# Altium PCB Nixie Board V1.1.PcbDoc (continued)
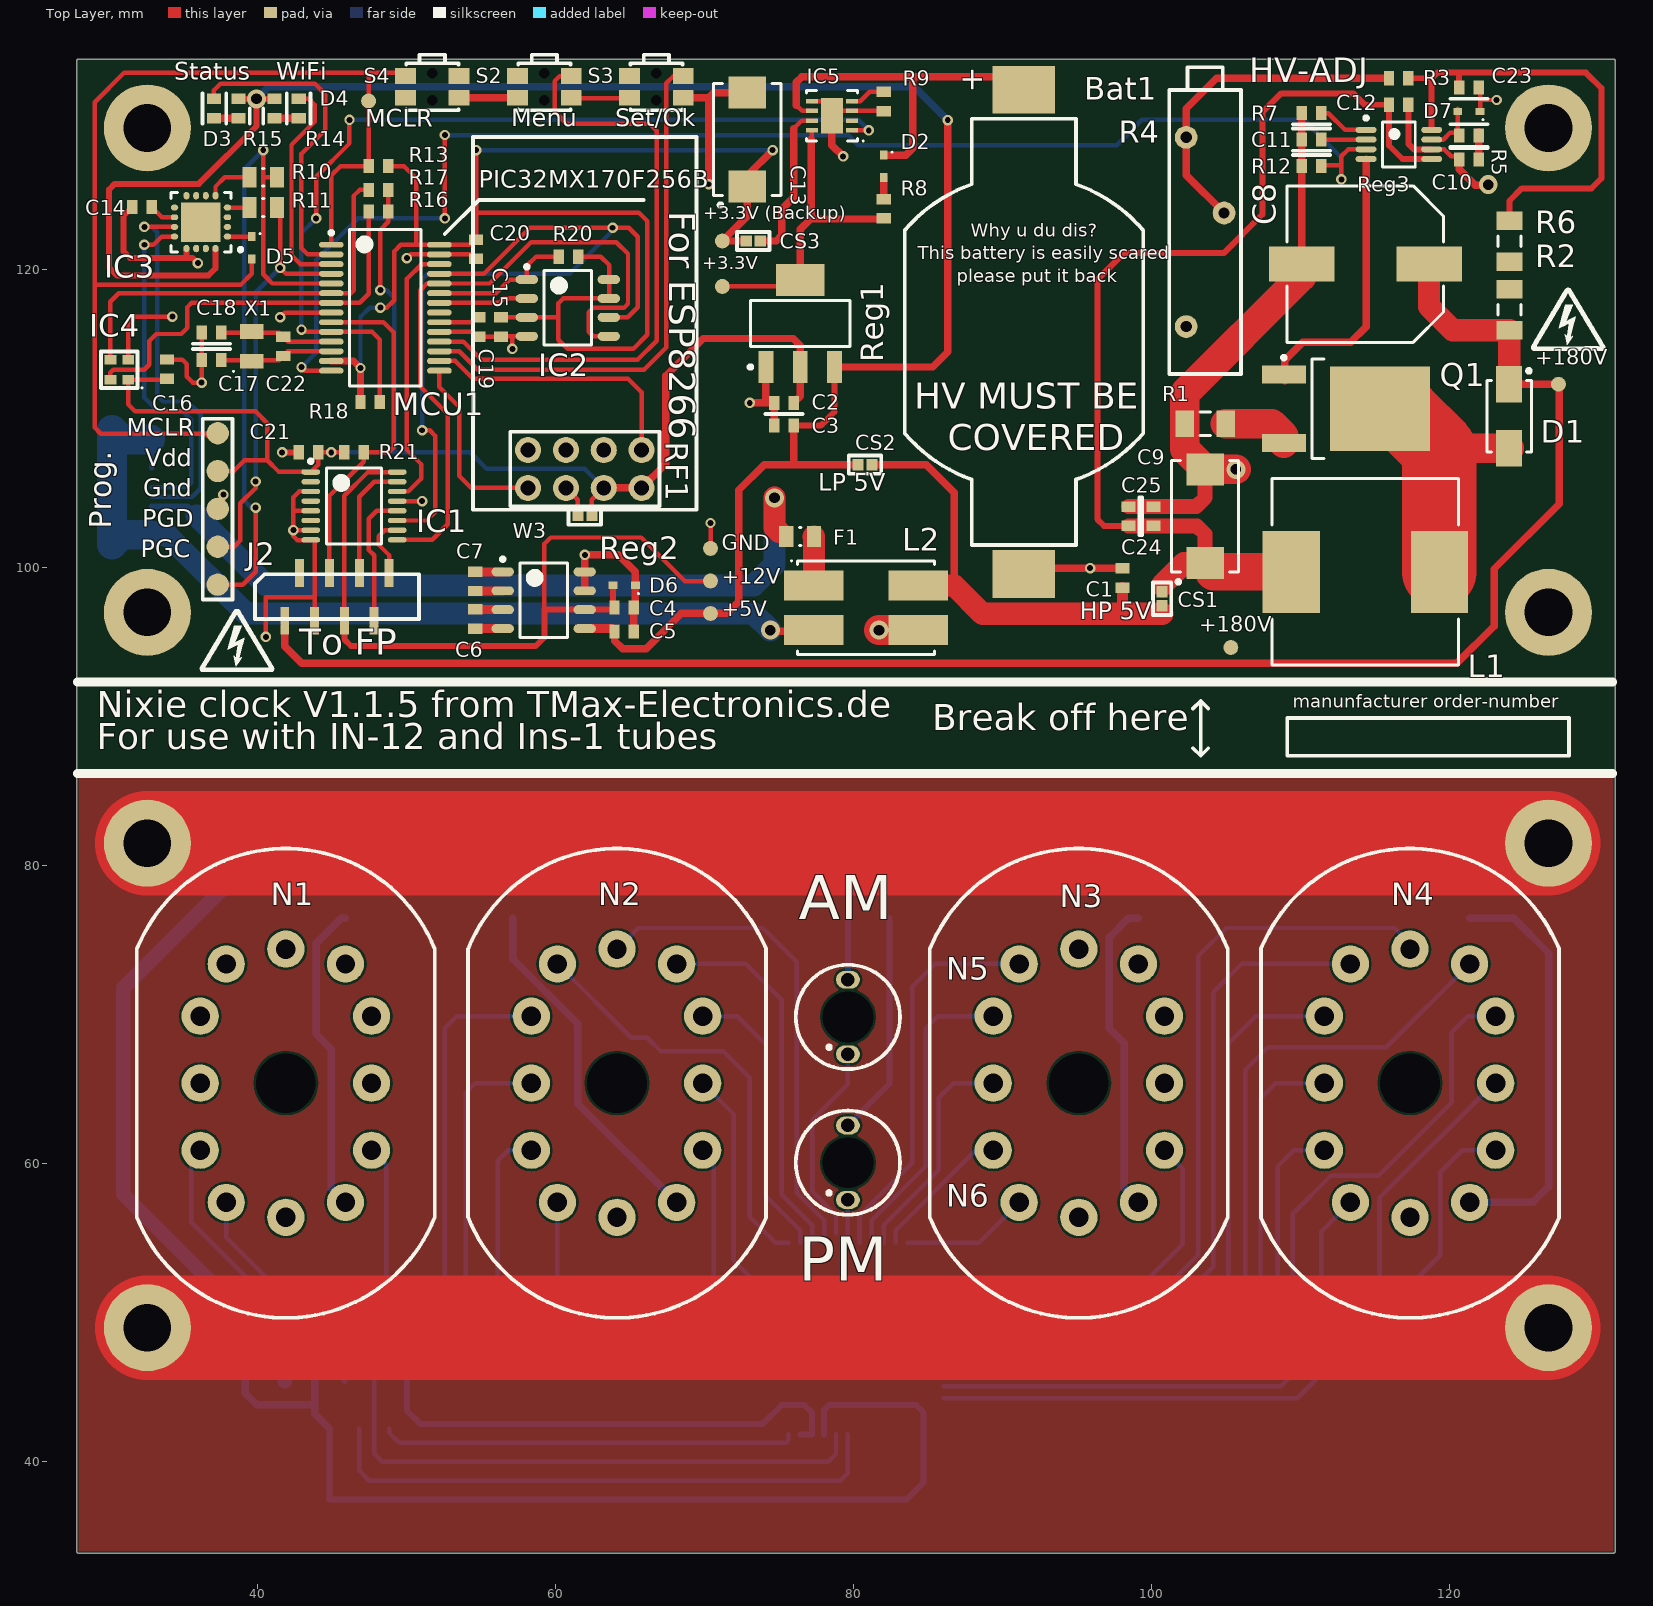
[diagram p0: Top Layer view]
## Footprints (in the part's own frame and the unit in brackets; to place one, negate y for a bottom-side part, rotate by r counter-clockwise, add the part's x,y. Pads: shape width x height; smd on the part's side, far side on the other; paste and mask are expansions set on the pad) (continued)
  silkscreen extent -3.02,-2.55 1.85,3.13, body extent -3.2,-2.55 3.2,2.55, height 1.2
TSSOP28_Wide [mm] "TSSOP, 28-Leads, Body 10.20x5.30mm, Pitch 0.65mm, Microchip"
  oval 1.65x0.4 smd: 1(-3.625,4.225) 2(-3.625,3.575) 3(-3.625,2.925) 4(-3.625,2.275) 5(-3.625,1.625) 6(-3.625,0.975) 7(-3.625,0.325) 8(-3.625,-0.325) 9(-3.625,-0.975) 10(-3.625,-1.625) 11(-3.625,-2.275) 12(-3.625,-2.925) 13(-3.625,-3.575) 14(-3.625,-4.225) 15(3.625,-4.225) 16(3.625,-3.575) 17(3.625,-2.925) 18(3.625,-2.275) 19(3.625,-1.625) 20(3.625,-0.975) 21(3.625,-0.325) 22(3.625,0.325) 23(3.625,0.975) 24(3.625,1.625) 25(3.625,2.275) 26(3.625,2.925) 27(3.625,3.575) 28(3.625,4.225)
  silkscreen extent -3.75,-5.25 2.4,5.25, body extent -3.9,-5.25 3.9,5.25, height 2
"USB 2.0 Type b micro" [mm]
  rect 0.4x1.35 smd: 1(-1.3,2.675) 2(-0.65,2.675) 3(0,2.675) 4(0.65,2.675) 5(1.3,2.675)
  rect 1.9x1.9 smd: 6(-3.85,0) 6(-1.2,0) 6(1.2,0) 6(3.85,0)
  rect 2.1x1.6 smd: 6(-3.2,2.55) 6(3.2,2.55)
  silkscreen extent -3.45,-1.45 3.45,3.81, body extent -4.04,-2.43 4.04,3.18, height 2.78
"VSON 3.1x3.1" [mm] "SON, 8-Leads, Body 3.00x3.00mm, Pitch 0.65mm, Thermal Pad 2.40x1.49mm, IPC High Density, Texas Instruments"
  rect 0.8x0.3 smd: 1(-1.345,0.975) 2(-1.345,0.325) 3(-1.345,-0.325) 4(-1.345,-0.975) 5(1.345,-0.975) 6(1.345,-0.325) 7(1.345,0.325) 8(1.345,0.975)
  rect 1.49x2.4 smd: 9(0,0)
  silkscreen extent -2.15,-1.7 1.7,1.75, body extent -1.55,-1.55 1.55,1.55, height 1

## Part data
Bat1: library part Battery, "Battery"
C1 C2 C3 C4 C5 C6 C7 C10 C11 C12 C14 C17 C18 C19 C22 C23 C24 C25: library part Cap, "Capacitor", LatestRevisionDate=17-Jul-2002, LatestRevisionNote="Re-released for DXP Platform.", PackageDescription="Radial Cap, Thru-Hole; 2 Leads; 0.3 in Pin Spacing", PackageReference=RAD-0.3, Published=8-Jun-2000, Publisher="Altium Limited"
C8: library part "Cap Pol1", LatestRevisionDate=17-Jul-2002, LatestRevisionNote="Re-released for DXP Platform.", PackageDescription="Polarized Capacitor (Radial); 2 Leads", PackageReference=RB7.6-15, Published=8-Jun-2000, Publisher="Altium Limited"
C9 C13: library part "Cap Pol1", "Tantalum", LatestRevisionDate=17-Jul-2002, LatestRevisionNote="Re-released for DXP Platform.", PackageDescription="Polarized Capacitor (Radial); 2 Leads", PackageReference=RB7.6-15, Published=8-Jun-2000, Publisher="Altium Limited"
C15: library part Cap, "Flash Bypass", LatestRevisionDate=17-Jul-2002, LatestRevisionNote="Re-released for DXP Platform.", PackageDescription="Radial Cap, Thru-Hole; 2 Leads; 0.3 in Pin Spacing", PackageReference=RAD-0.3, Published=8-Jun-2000, Publisher="Altium Limited"
C16 C20 C21: library part Cap, "PIC Bypass", LatestRevisionDate=17-Jul-2002, LatestRevisionNote="Re-released for DXP Platform.", PackageDescription="Radial Cap, Thru-Hole; 2 Leads; 0.3 in Pin Spacing", PackageReference=RAD-0.3, Published=8-Jun-2000, Publisher="Altium Limited"
CS1 CS3: library part Jumper, "I2C Passthrough", LatestRevisionDate=17-Jul-2002, LatestRevisionNote="Re-released for DXP Platform.", PackageDescription="Radial Cap, Thru-Hole; 2 Leads; 0.2 in Pin Spacing", PackageReference=RAD-0.2, Published=24-Mar-1999, Publisher="Altium Limited"
CS2: library part Jumper, LatestRevisionDate=17-Jul-2002, LatestRevisionNote="Re-released for DXP Platform.", PackageDescription="Radial Cap, Thru-Hole; 2 Leads; 0.2 in Pin Spacing", PackageReference=RAD-0.2, Published=24-Mar-1999, Publisher="Altium Limited"
D1: "Schottky Rectifier", Code_JEDEC=DO-204-AL, ComponentLink1Description="Manufacturer Link", ComponentLink1URL=http://www.irf.com/, ComponentLink2Description=Datasheet, ComponentLink2URL=http://www.irf.com/product-info/datasheets/data/11dq03.pdf, DatasheetVersion=Dec-1997, LatestRevisionDate=17-Jul-2002, LatestRevisionNote="Re-released for DXP Platform.", PackageDescription="Diode, Axial; Body 5.2 x 2.7 mm (LxDia. max), Lead Dia. 0.86 mm (max)", PackageReference=DO-204AL, Published=8-Jun-2000, Publisher="Altium Limited"
D2 D5: "Default Diode", Code_JEDEC=DO-214-AB, LatestRevisionDate=17-Jul-2002, LatestRevisionNote="Re-released for DXP Platform.", PackageDescription="DO-214-AB/SMC; 2 C-Bend Leads; Body 7.9 x 5.9 mm, inc. leads (LxW)", PackageReference=SMC, PackageVersion=Sep-1996, Published=8-Jun-2000, Publisher="Altium Limited"
D6 D7: library part "D Zener", "Zener Diode", LatestRevisionDate=17-Jul-2002, LatestRevisionNote="Re-released for DXP Platform.", PackageDescription="Diode, Thru-Hole; 2 Leads; 0.7 in Pin Spacing", PackageReference=DIODE-0.7, Published=8-Jun-2000, Publisher="Altium Limited"
F1: library part Fuse, "Fuse OR PTC Resettable Fuse"
IC1: "6ch Level shifter"
IC3: "USB to Uart/I2C Converter"
IC4: library part ?LTR-329ALS, "Ambient light sensor with ADC"
IC101: "32bit HV shift register", ComponentLink1Description=Datasheet, ComponentLink1URL=http://ww1.microchip.com/downloads/en/DeviceDoc/20005418B.pdf
J1B: library part "USB 2.0 Type B Micro"
J2 J101: library part "Molex 0528080871", "8 Pin FFC SMD staight"
L1: library part Inductor, "Inductor", Code_IEC=1005, Code_JEITA=0402, LatestRevisionDate=29-May-2009, LatestRevisionNote="IPC-7351 Footprint Added.", PackageDescription="Chip Inductor", PackageReference=0402-A, Published=8-Jun-2000, Publisher="Altium Limited"
MCU1: library part PIC32MX1xxFxxxB
N1 N2 N3 N4: library part "Nixie numeric 0-9", "Nixie tube numeric without decimal point", ComponentLink1Description="Info for IN-12A", ComponentLink1URL=http://www.tube-tester.com/sites/nixie/data/in-12a.htm
N5 N6: library part "Nixie Dot", "Neon dot indicator"
Q1: "N-Channel MOSFET", LatestRevisionDate=17-Jul-2002, LatestRevisionNote="Re-released for DXP Platform.", PackageDescription="TO, Flat Index; 3 In-Line, Axial Leads; Body Dia. 4.6mm; Lead Dia. 0.5 mm (max)", PackageReference=E3, PackageVersion=1995/1996, Published=8-Jun-2000, Publisher="Altium Limited"
R1 R8: "Resistor", LatestRevisionDate=17-Jul-2002, LatestRevisionNote="Re-released for DXP Platform.", PackageDescription="Axial Device, Thru-Hole; 2 Leads; 0.3 in Pin Spacing", PackageReference=AXIAL-0.3, Published=8-Jun-2000, Publisher="Altium Limited"
R2 R5 R6 R7 R10 R11 R12 R13 R14 R15 R16 R17 R20 R21: library part Res1, "Resistor", LatestRevisionDate=17-Jul-2002, LatestRevisionNote="Re-released for DXP Platform.", PackageDescription="Axial Device, Thru-Hole; 2 Leads; 0.3 in Pin Spacing", PackageReference=AXIAL-0.3, Published=8-Jun-2000, Publisher="Altium Limited"
R3 R9 R18: library part Res1, LatestRevisionDate=17-Jul-2002, LatestRevisionNote="Re-released for DXP Platform.", PackageDescription="Axial Device, Thru-Hole; 2 Leads; 0.3 in Pin Spacing", PackageReference=AXIAL-0.3, Published=8-Jun-2000, Publisher="Altium Limited"
R101 R102 R103 R104 R105 R106: library part Resistor
Reg1: library part VReg
Reg2: "12V Boosting charge pump"
RF1: library part ESP8266
S2 S3: library part SW-PB, "Switch", LatestRevisionDate=17-Jul-2002, LatestRevisionNote="Re-released for DXP Platform.", PackageDescription="Switch; 2 Leads", PackageReference=SPST-2, Published=24-Mar-1999, Publisher="Altium Limited"
S4: library part SW-PB, LatestRevisionDate=17-Jul-2002, LatestRevisionNote="Re-released for DXP Platform.", PackageDescription="Switch; 2 Leads", PackageReference=SPST-2, Published=24-Mar-1999, Publisher="Altium Limited"
W3: "I2C Passthrough", LatestRevisionDate=17-Jul-2002, LatestRevisionNote="Re-released for DXP Platform.", PackageDescription="Radial Cap, Thru-Hole; 2 Leads; 0.2 in Pin Spacing", PackageReference=RAD-0.2, Published=24-Mar-1999, Publisher="Altium Limited"
X1: library part "Tuning fork crystal"
IC2: ComponentLink1Description=Datasheet, ComponentLink1URL=https://www.winbond.com/resource-files/w25x40cl_f%2020140325.pdf

## Free pads (board coordinates)
  round 1.5 smd paste-25.4: 2(37.338,98.863) 2(37.338,101.403) 2(37.338,103.943) 2(37.338,106.483) 2(37.338,109.023)
  round 1 smd paste-25.4: 2(47.465,131.318) 2(70.409,96.926) 2(70.409,99.111) 2(70.409,101.295) 2(71.199,118.872) 2(71.199,121.92) 2(105.325,94.64) 2(127.309,112.31)
  round 5.84 hole 3.2: ""(32.614,49) ""(32.614,81.509) ""(32.614,97) ""(32.614,129.509) ""(126.644,49) ""(126.644,81.509) ""(126.644,97) ""(126.644,129.509)

## Via types
v1: diameter 0.7, hole 0.4, Top Layer to Bottom Layer, tented bottom, 39 vias
v2: diameter 1.27, hole 0.711, Top Layer to Bottom Layer, tented bottom, 6 vias
v3: diameter 0.7, hole 0.4, Top Layer to Bottom Layer, tented both sides, 2 vias

## Nets (pads, with @x,y where several pads share a name; then routed paths per layer and width w, separated by ;. In a path a pad name is that pad's centre, name@x,y a point inside that pad or via, vN(x,y) a via of type N, cw(c..) or ccw(c..) an arc to the next point about the centre after c; other vN are vias at no path point)
+3V3: C2.1 C16.1 C21.1 IC1.1 IC4.1 IC5.8 pad.2@37.338,106.483 pad.2@71.199,118.872 R8.1 R16.1 R17.1 R21.2 Reg1.2 RF1.6 RF1.8 W3.1 | length 113.4
  Top Layer w0.3: C16.1 33.883,112.609 IC4.1 31.334,110.95 31.794,110.49 39.878,110.49 40.67,109.698 40.67,107.206 ; pad.2@37.338,106.483 38.411,106.483 39.134,107.206 40.67,107.206 ; R21.2 v1(44.958,107.74) C21.1 44.084,106.917 IC1.1 43.571,106.426 41.45,106.426 40.67,107.206 ; v1(48.26,118.618) 48.26,122.682 48.783,123.205 R16.1 R17.1 ; W3.1 62.446,103.891 62.446,104.551 RF1.6 ; pad.2@71.199,118.872 75.986,118.872 Reg1.2@76.429,119.315 ; 77.173,128.734 77.211,128.772 IC5.8
  Top Layer w0.5: RF1.6 RF1.8 67.419,106.984 67.419,112.885 69.913,115.379 75.954,115.379 76.429,114.904 76.429,113.465 76.429,111.505 C2.1 ; Reg1.2@77.173,120.059 76.429,119.315 76.429,122.7 77.127,123.398 77.173,123.398 ; 77.173,128.734 77.173,123.398 ; R8.1 81.991,123.398 77.173,123.398
  Bottom Layer w0.3: v1(44.958,107.74) 49.18,107.74 ; v1(48.26,118.618) 48.672,118.618 49.18,118.11 49.18,107.74 ; RF1.6 61.972,106.625 55.399,106.625 54.284,107.74 49.18,107.74
+3V3_Backup: C13.1 C15.1 C20.1 CS3.2 IC2.3 IC2.7 IC2.8 MCU1.13 MCU1.28 pad.2@71.199,121.92 R13.2 R18.1 R20.2 | length 101.9
  Top Layer w0.3: v1(48.26,117.445) 48.671,117.445 49.18,117.953 49.18,121.218 49.632,121.67 50.673,121.67 ; R13.2 49.84,126.947 50.673,126.114 50.673,121.67 ; v1(54.682,128.013) 54.682,123.825 ; C15.1@56.261,116.802 56.268,116.795 IC2.3 60.198,116.795 ; R20.2@61.421,120.869 R20.2 63.042,120.869 63.603,120.307 63.603,118.065 IC2.7 60.534,118.065 60.198,117.729 60.198,116.795 ; v1(74.573,128.013) v1@74.576,128.016 ; 50.673,121.67 MCU1.28 54.335,121.67 C20.1 54.682,123.825 ; 54.682,123.825 65.603,123.825 66.167,123.261 66.167,115.629 65.218,114.68 60.815,114.68 60.198,115.297 60.198,116.795
  Top Layer w0.5: MCU1.13 46.448,113.87 v1(46.92,113.398) R18.1 ; CS3.2 71.199,121.92 72.874,123.595 C13.1 72.874,126.314 v1(74.573,128.013)
  Bottom Layer w0.3: v1(46.92,113.398) 46.92,116.824 47.541,117.445 v1(48.26,117.445) ; v1(54.682,128.013) v1(74.573,128.013)
+5V: C1.1 CS1.1 CS2.1 L2.4 | length 32
  Top Layer w0.5: CS2.1 84.886,106.91 86.765,105.03 86.765,98.807
  Top Layer w0.75: 98.044,96.901 C1.1 ; 100.711,96.901 CS1.1
  Top Layer w1.5: L2.4 86.765,98.807 88.671,96.901 98.044,96.901 100.711,96.901
"+5V_ LP": 
+5V_HP: C9.1 C12.1 C24.1 C25.1 CS1.2 L1.1 Reg3.5 | length 70.7
  Top Layer w0.4: C25.1 96.821,102.8 96.368,103.254 96.368,119.329 98.146,121.107 104.851,121.107 107.442,123.698 107.442,130.556 108.712,131.826 113.538,131.826 114.3,131.064 C12.1 115.936,128.329 116.84,127.425 Reg3.5 ; C9.1 C9.1@104.179,99.721
  Top Layer w0.75: CS1.2 100.711,98.831
  Top Layer w1: C25.1 C24.1 103.046,102.8 103.6,102.246 C9.1
  Top Layer w1.5: 100.711,98.831 102.18,100.3 C9.1
  Top Layer w2.5: C9.1@104.179,99.721 L1.1
+5V_LP: C3.1 C5.1 CS2.2 IC3.16 pad.2@70.409,96.926 R14.2 R15.1 Reg1.3 Reg2.5 | length 138.8
  Top Layer w0.4: IC3.16 37.191,120.087 36.706,119.602 30.571,119.602 30.048,120.125 30.048,125.374 30.429,125.755 36.072,125.755 39.94,129.623 v2(39.94,131.46) ; R15.1 v2(39.94,131.46) ; R14.2 v2(39.94,131.46) ; C3.1 77.802,109.532 78.729,110.459 Reg1.3
  Top Layer w0.5: C5.1 63.966,95.108 64.515,94.559 66.086,94.559 68.453,96.926 70.409,96.926 71.501,96.926 72.288,97.714 72.288,105.181 74.017,106.91 75.98,106.91 ; C3.1 75.98,106.91 ; Reg1.3 85.321,113.465 86.329,114.472 v1(86.329,130.028) ; CS2.2 75.98,106.91
  Top Layer w0.6: Reg2.5 63.771,95.911 C5.1
  Bottom Layer w0.5: v2(39.94,131.46) 40.747,132.267 84.09,132.267 v1(86.329,130.028)
+12V: C4.1 D6.2 IC1.16 J2.5 pad.2@70.409,99.111 Reg2.6 | length 52.6
  Top Layer w0.3: J2.5@45.839,96.698 45.839,104.834 47.42,106.415 IC1.16 ; 59.26,97.181 59.26,101.59 59.695,102.025 65.757,102.025 68.696,99.086 70.384,99.086 pad.2@70.409,99.111
  Top Layer w0.4: J2.5 45.839,95.186 46.283,94.742 58.674,94.742 59.26,95.328 59.26,97.181 Reg2.6 63.831,97.181 C4.1 63.866,97.416 D6.2 D6.2@63.866,98.872
+180V: C8.1 D1.1 J2.1 pad.2@105.325,94.64 pad.2@127.309,112.31 R2.1 | length 118.3
  Top Layer w0.5: J2.1 41.839,94.717 42.982,93.574 105.334,93.574 ; 105.325,93.582 105.334,93.574 ; D1.1 127.309,112.31 127.351,112.268 127.351,104.274 122.987,99.91 122.987,96.08 120.48,93.574 105.334,93.574 ; R2.1@124.003,115.914 R2.1
  Top Layer w1.5: C8.1 118.626,117.521 120.207,115.94 R2.1 ; D1.1 R2.1@124.003,115.914
+180V_FP: J101.1 R101.1 R102.1 R103.1 R104.1 R105.1 R106.1 | length 124.3
  Bottom Layer w1: J101.1 41.839,47.116 31,57.955 31,71.791 38.435,79.226 R101.1 R102.1 R105.1 R106.1 R103.1 R104.1
GND: Bat1.1 C1.2 C2.2 C3.2 C4.2 C5.2 C8.2 C9.2 C10.2 C11.2 C12.2 C13.2 C14.2 C15.2 C16.2 C17.2 C18.2 C19.2 C20.2 C21.2 C23.2 C24.2 C25.2 D6.1 D7.1 IC1.3 IC1.5 IC1.7 IC1.8 IC1.13 IC2.4 IC3.13 IC4.2 IC5.3 IC5.5 IC5.9 J2.3 L2.3 MCU1.8 MCU1.19 MCU1.27 pad.2@37.338,103.943 pad.2@70.409,101.295 pad.@32.614,97 pad.@32.614,129.509 pad.@126.644,97 pad.@126.644,129.509 R1.2 R4.1 R7.2 R9.2 R12.1 Reg1.1 Reg2.7 Reg2.8 Reg3.6 RF1.1 S2.1 S3.1 S4.1 | length 162.3
  Top Layer w0.3: IC4.2 31.334,116.391 31.783,116.84 v1(34.29,116.84) ; C16.2 34.962,113.967 35.264,113.666 35.264,112.826 35.675,112.415 v1(36.266,112.415) C17.2 C18.2 ; pad.2@37.338,103.943 37.719,104.324 v1(37.719,104.902) ; v3(40.564,95.352) 40.564,98.024 43.819,98.024 43.839,98.044 ; v1(41.529,116.805) 41.844,117.12 MCU1.8 ; IC1.7 v1(42.418,102.515) ; IC1.5 42.418,103.815 ; IC1.3 42.811,105.115 42.418,104.722 42.418,103.815 ; J2.3 43.839,98.044 ; IC1.13 v1(51.054,104.465) ; v1(50.038,120.777) 50.281,121.02 MCU1.27 54.379,121.02 C20.2 ; MCU1.19 54.367,115.82 54.685,115.502 56.261,115.502 56.284,115.525 IC2.4@57.809,115.525 ; v1(57.108,114.68) 57.108,115.379 ; S2.1@61.079,131.466 61.059,131.487 64.925,131.487 S3.1@64.98,131.542 ; pad.2@70.409,101.295 v3(70.409,102.997) ; IC5.5 78.077,131.297 78.727,130.647 IC5.3 R9.2@82.013,130.647 ; Reg3.6 119.634,128.075 120.109,127.6 C10.2@120.65,127.6 ; C23.2 122.05,132.12 122.05,131.365 ; D7.1 122.05,131.365 ; v1(123.165,131.382) 122.068,131.382 122.05,131.365 ; v1(42.418,102.515) 42.418,102.108 42.672,101.854 43.571,101.854 IC1.8 43.839,101.865 43.839,98.044 ; v1(42.418,102.515) 42.418,103.815
  Top Layer w0.4: C14.2 31.015,123.613 31.015,121.23 31.468,120.777 35.241,120.777 ; IC3.13 35.241,120.777 ; v1(36.001,120.437) 35.662,120.777 35.241,120.777 ; v1(41.656,107.74) C21.2 ; C12.2 117.236,128.441 117.602,128.075 Reg3.6
  Top Layer w0.5: S4.1@53.538,131.542 S2.1@57.459,131.542 ; Reg2.7 Reg2.8 61.966,100.854 v1(61.976,100.864) 64.216,100.864 65.366,99.714 D6.1 65.366,97.416 C4.2 C5.2 ; S3.1@68.58,131.542 70.283,131.542 ; v1(70.283,125.73) 70.283,131.542 ; C13.2 70.624,131.883 70.283,131.542 ; v1(73.04,111.056) 74.119,111.056 ; Reg1.1 74.129,111.066 74.119,111.056 ; C3.2 C2.2 74.119,111.056 ; IC5.9 78.556,128.353 v1(79.309,127.6) ; R9.2@82.013,130.647 R9.2 ; Bat1.1 91.83,99.964 v1(95.885,99.964) C1.2 ; C8.2@110.094,120.389 R12.1 C11.2 R7.2 ; C10.2@120.65,127.6 C10.2 120.65,126.746 121.721,125.675 122.576,125.675 v2(122.6,125.7)
  Top Layer w1: C25.2 C24.2 103.004,104.1 103.6,104.696 C9.2
  Top Layer w2: v2(81.712,95.807) L2.3 ; v2(105.664,106.6) C9.2 102.232,107.968 102.232,110.248 102.232,111.698 110.076,119.542 C8.2 C8.2@110.094,120.389
GND_FP: IC101.30 J101.3 J101.4 pad.@32.614,49 pad.@32.614,81.509 pad.@126.644,49 pad.@126.644,81.509 | length 265.1
  Top Layer w7: pad.@32.614,49 pad.@126.644,49 ; pad.@32.614,81.509 pad.@126.644,81.509
  Bottom Layer w0.4: 44.831,37.465 83.566,37.465 84.709,38.608 84.709,43.307 84.201,43.815 78.359,43.815 78.029,43.485 IC101.30 ; 44.839,37.473 J101.4
  Bottom Layer w0.5: pad.@32.614,49 37.487,49 39.192,47.295 39.192,44.602 39.954,43.84 43.839,43.84 ; J101.3 43.839,43.84 ; J101.4 43.839,43.215 43.839,43.84
NetBat1_2: Bat1.2 D2.1 IC5.6 | length 25.5
  Top Layer w0.3: 76.17,131.038 76.561,130.647 IC5.6
  Top Layer w0.5: 76.17,131.038 76.17,132.563 76.546,132.938 83.947,132.938 ; D2.1 83.51,127.678 83.985,128.153 83.985,132.9 83.947,132.938 ; Bat1.2 90.576,132.938 83.947,132.938
NetC6_1: C6.1 Reg2.4 | length 1.9
  Top Layer w0.3: C6.1 C6.1@54.631,95.911
  Top Layer w0.6: C6.1@54.631,95.911 Reg2.4
NetC6_2: C6.2 Reg2.3 | length 1.9
  Top Layer w0.3: C6.2 C6.2@54.631,97.181
  Top Layer w0.6: C6.2@54.631,97.181 Reg2.3
NetC7_1: C7.1 Reg2.2 | length 1.9
  Top Layer w0.3: Reg2.2@56.451,98.436 Reg2.2
  Top Layer w0.6: C7.1 Reg2.2@56.451,98.436
NetC7_2: C7.2 Reg2.1 | length 1.9
  Top Layer w0.3: C7.2 C7.2@54.631,99.721
  Top Layer w0.6: C7.2@54.631,99.721 Reg2.1
NetC10_1: C10.1 R5.2 | length 1.6
  Top Layer w0.5: C10.1@121.95,127.654 R5.2@121.95,129.254
NetC11_1: C11.1 Reg3.2 | length 3
  Top Layer w0.3: C11.1 Reg3.2
NetC14_1: C14.1 IC3.10 | length 1.8
  Top Layer w0.3: C14.1 33.599,123.515 IC3.10
NetC17_1: C17.1 C22.1 MCU1.12 X1.1 | length 7.6
  Top Layer w0.3: C17.1 39.624,113.93 41.463,113.93 42.053,114.52 MCU1.12
NetC18_1: C18.1 C22.2 MCU1.11 X1.2 | length 7.3
  Top Layer w0.3: C18.1 39.624,115.78 C22.2@41.463,115.78 ; C22.2 42.073,115.17 MCU1.11
NetC19_1: C19.1 MCU1.20 | length 2.6
  Top Layer w0.3: MCU1.20 54.347,116.47 C19.1@54.682,116.805
NetC23_1: C23.1 R3.1 R6.2 Reg3.8 | length 32.2
  Top Layer w0.4: R3.1 118.8,132.842 ; Reg3.8 118.8,132.842 ; C23.1 120.65,133.223 ; R6.2 124.028,124.62 124.858,125.451 129.528,125.451 130.2,126.123 130.2,132.174 129.151,133.223 120.65,133.223 ; 118.8,132.842 119.181,133.223 120.65,133.223
NetCS3_1: CS3.1 IC5.7 | length 10.5
  Top Layer w0.3: 75.986,129.468 76.515,129.997 IC5.7
  Top Layer w0.5: CS3.1 74.807,121.92 75.184,122.297 75.184,124.043 75.986,124.845 75.986,129.468
NetD1_1: D1.2 L1.2 Q1.2 | length 17.8
  Top Layer w2: Q1.2@115.381,110.248 Q1.2@116.961,110.248 ; 119.323,107.886 119.447,108.01 D1.2
  Top Layer w5: Q1.2@116.961,110.248 119.323,107.886 L1.2
NetD2_1: D2.2 R8.2 | length 1.4
  Top Layer w0.5: R8.2 D2.2
NetD3_1: D3.1 R15.2 | length 1.7
  Top Layer w0.5: D3.1 R15.2
NetD3_2: D3.2 MCU1.2 | length 21.7
  Top Layer w0.3: D3.2 37.085,132.03 37.541,132.486 43.84,132.486 44.552,131.775 44.552,129.367 42.959,127.775 42.959,121.436 43.376,121.02 MCU1.2
NetD4_1: D4.1 R14.1 | length 1.6
  Top Layer w0.5: R14.1 D4.1
NetD4_2: D4.2 MCU1.3 | length 14.9
  Top Layer w0.3: D4.2 43.444,131.46 43.839,131.065 43.839,129.931 42.291,128.383 42.291,120.97 42.891,120.37 MCU1.3
NetD5_1: D5.2 MCU1.1 pad.2@37.338,109.023 pad.2@47.465,131.318 R13.1 S4.2 | length 77.3
  Top Layer w0.3: pad.2@36.925,108.61 36.544,108.991 29.498,108.991 29.083,109.406 29.083,118.974 ; D5.2 39.624,119.726 38.872,118.974 29.083,118.974 ; MCU1.1 44.961,126.329 45.579,126.947 R13.1 47.483,133.223 ; S4.2@49.938,132.992 49.707,133.223 47.483,133.223 ; 29.083,118.974 29.083,131.242 31.064,133.223 47.483,133.223
NetD5_2: D5.1 IC3.1 | length 1.6
  Top Layer w0.3: IC3.1 D5.1
NetD7_2: D7.2 R5.1 Reg3.7 | length 3.7
  Top Layer w0.3: Reg3.7 119.581,128.725 120.056,129.2 120.65,129.2 120.55,129.3 D7.2@120.55,130.81
NetF1_1: F1.1 J1B.1 | length 51.5
  Top Layer w1.5: v2(74.701,104.689) 74.701,102.71 F1.1@75.02,102.391
  Bottom Layer w0.4: J1B.1 35.301,104.11 35.915,103.496
  Bottom Layer w1.5: 35.915,103.496 40.604,98.807 73.306,98.807 74.701,100.203 v2(74.701,104.689)
NetF1_2: F1.2 L2.1 | length 3.3
  Top Layer w1.5: L2.1@77.343,98.813 L2.1 77.348,102.077 F1.2
NetIC1_9: IC1.9 IC2.5 MCU1.24 | length 44.9
  Top Layer w0.3: IC1.9 51.735,101.865 52.774,102.904 52.774,110.314 50.927,112.161 50.927,118.618 51.379,119.07 MCU1.24 55.596,119.07 58.368,121.842 64.086,121.842 64.872,121.056 64.872,117.704 64.598,117.43 62.512,117.43 62.23,117.148 62.23,115.824 62.529,115.525 IC2.5
NetIC1_10: IC1.10 J2.8 | length 3.9
  Top Layer w0.3: J2.8@48.839,99.898 48.839,100.846 48.133,101.552 48.133,102.108 48.54,102.515 IC1.10
NetIC1_11: IC1.11 IC2.6 MCU1.25 | length 55.4
  Top Layer w0.3: IC1.11 51.349,103.165 51.943,103.759 51.943,108.839 51.562,109.22 v1(51.058,109.22) ; MCU1.25 55.204,119.72 58.293,122.809 v1(63.834,122.809) 64.925,122.809 65.532,122.202 65.532,117.475 64.852,116.795 IC2.6@63.603,116.795
  Bottom Layer w0.3: v1(51.058,109.22) 51.058,119.34 51.053,119.344 51.429,119.72 60.949,119.72 63.834,122.604 v1(63.834,122.809) v1@64.038,122.809
NetIC1_12: IC1.12 J2.7 | length 8.9
  Top Layer w0.3: J2.7@47.839,96.698 47.839,100.83 47.483,101.186 47.483,103.292 48.006,103.815 IC1.12
NetIC1_14: IC1.14 MCU1.26 | length 18.3
  Top Layer w0.3: IC1.14 50.124,105.115 50.986,105.977 50.986,106.952 50.038,107.9 50.038,119.38 51.028,120.37 MCU1.26
NetIC1_15: IC1.15 J2.6 | length 7.8
  Top Layer w0.3: J2.6@46.839,99.898 46.839,104.762 47.842,105.765 IC1.15
NetIC2_1: IC2.1 MCU1.23 R20.1 | length 9.2
  Top Layer w0.3: MCU1.23 56.014,118.42 56.929,119.335 IC2.1@57.809,119.335 ; IC2.1 58.083,120.251 58.701,120.869 R20.1@60.121,120.869
NetIC2_2: IC2.2 MCU1.22 | length 5.7
  Top Layer w0.3: MCU1.22 56.238,117.77 56.533,118.065 IC2.2@57.809,118.065
NetIC3_4: IC3.4 R11.2 | length 1.5
  Top Layer w0.3: IC3.4 R11.2@39.482,124.165
NetIC3_5: IC3.5 R10.1 | length 3.1
  Top Layer w0.3: IC3.5 37.191,125.573 37.815,126.197 R10.1
NetIC3_11: IC3.11 J1B.2 | length 25.9
  Top Layer w0.3: v1(32.42,122.865) IC3.11
  Bottom Layer w0.3: v1(32.42,122.865) 32.919,122.865 33.274,122.51 33.274,111.56 33.684,111.15 35.306,111.15 36.195,110.261 36.195,105.33 35.625,104.76 J1B.2
NetIC3_12: IC3.12 J1B.3 | length 23.3
  Top Layer w0.3: v1(32.42,121.67) 33.024,121.67 33.569,122.215 IC3.12
  Bottom Layer w0.3: v1(32.42,121.67) 32.42,111.398 33.328,110.49 34.997,110.49 35.56,109.927 35.56,105.695 35.275,105.41 J1B.3
NetIC4_3: IC4.3 MCU1.6 R17.2 | length 28.1
  Top Layer w0.3: IC4.3 30.134,117.851 30.703,118.42 MCU1.6 46.284,118.42 46.482,118.618 46.482,124.968 46.863,125.349 R17.2
NetIC4_4: IC4.4 MCU1.7 R16.2 | length 27.3
  Top Layer w0.3: IC4.4 30.134,113.09 30.328,113.284 32.404,113.284 32.739,113.619 32.739,115.21 33.208,115.679 34.883,115.679 35.306,116.102 35.306,117.487 35.589,117.77 MCU1.7 46.863,117.77 47.483,118.39 R16.2
NetIC5_1: IC5.1 MCU1.10 R18.2 | length 61.4
  Top Layer w0.3: v1(42.959,115.979) 43.119,115.82 MCU1.10 47.708,115.82 48.22,115.308 R18.2 ; v1(43.942,123.444) 43.942,126.232 46.18,128.47 v1(46.18,130.048) ; IC5.1 v1(81.026,129.347)
  Bottom Layer w0.3: v1(42.959,115.979) 42.959,122.461 v1(43.942,123.444) ; v1(46.18,130.048) 80.325,130.048 v1(81.026,129.347)
NetIC5_4: IC5.4 R9.1 | length 2.4
  Top Layer w0.3: IC5.4 80.457,131.297 81.091,131.931 R9.1
NetIC101_1: IC101.1 N2.7 | length 28.7
  Bottom Layer w0.3: N2.7 65.087,68.453 66.167,68.453 67.056,67.564 71.247,67.564 73.04,65.771 73.04,56.428 74.783,54.685 IC101.1
NetIC101_2: IC101.2 N2.4 | length 19.3
  Bottom Layer w0.3: N2.4 72.208,69.905 74.129,67.984 74.129,57.824 76.429,55.524 IC101.2
NetIC101_3: IC101.3 N2.5 | length 25.2
  Bottom Layer w0.3: N2.5 72.772,73.405 75.184,70.993 75.184,57.912 77.229,55.867 IC101.3
NetIC101_4: IC101.4 N2.6 | length 33.2
  Bottom Layer w0.3: N2.6 65.549,75.819 73.914,75.819 76.2,73.533 76.2,58.04 78.029,56.211 IC101.4
NetIC101_5: IC101.5 N5.K | length 13.7
  Bottom Layer w0.3: IC101.5@78.829,55.32 78.829,56.553 77.229,58.153 77.229,62.929 79.629,65.329 N5.K
NetIC101_6: IC101.6 N6.K | length 2.3
  Bottom Layer w0.3: IC101.6@79.629,55.32 N6.K
NetIC101_7: IC101.7 N3.7 | length 26.5
  Bottom Layer w0.3: IC101.7 80.429,56.553 83.947,60.071 83.947,71.882 85.47,73.405 N3.7
NetIC101_8: IC101.8 N3.8 | length 20.8
  Bottom Layer w0.3: IC101.8 81.229,56.21 84.836,59.817 84.836,69.088 85.653,69.905 N3.8
NetIC101_9: IC101.9 N3.9 | length 15.3
  Bottom Layer w0.3: IC101.9 82.029,55.884 85.725,59.58 85.725,64.42 86.71,65.405 N3.9
NetIC101_10: IC101.10 N3.10 | length 9.6
  Bottom Layer w0.3: IC101.10 82.829,55.524 88.21,60.905 N3.10
NetIC101_11: IC101.11 N3.11 | length 8.6
  Bottom Layer w0.3: IC101.11 88.403,54.685 N3.11
NetIC101_12: IC101.12 N3.2 | length 23.8
  Bottom Layer w0.3: IC101.12 99.758,52.26 102.108,54.61 102.108,59.67 N3.2
NetIC101_13: IC101.13 N4.6 | length 53.9
  Bottom Layer w0.3: IC101.13 100.723,51.46 103.124,53.861 103.124,73.914 105.029,75.819 116.332,75.819 117.348,74.803 N4.6
NetIC101_14: IC101.14 N4.7 | length 47.5
  Bottom Layer w0.3: IC101.14 101.714,50.66 104.14,53.086 104.14,71.501 106.044,73.405 N4.7
NetIC101_15: IC101.15 N4.8 | length 43.1
  Bottom Layer w0.3: IC101.15 102.819,49.86 105.156,52.197 105.156,68.072 106.989,69.905 N4.8
NetIC101_16: IC101.16 N4.5 | length 54
  Bottom Layer w0.3: IC101.16 103.765,49.06 106.299,51.594 106.299,66.294 107.823,67.818 115.761,67.818 N4.5
NetIC101_17: IC101.17 N4.9 | length 40.6
  Bottom Layer w0.3: IC101.17 104.775,48.26 107.315,50.8 107.315,64.389 108.331,65.405 N4.9
NetIC101_18: IC101.18 N4.10 | length 36.7
  Bottom Layer w0.3: IC101.18 105.677,47.46 108.458,50.241 108.458,59.817 109.546,60.905 N4.10
NetIC101_19: IC101.19 N4.4 | length 53.7
  Bottom Layer w0.3: IC101.19 106.731,46.66 109.474,49.403 109.474,56.643 112.013,59.182 115.209,59.182 120.142,64.115 120.142,68.834 121.213,69.905 N4.4
NetIC101_20: IC101.20 N4.11 | length 35.5
  Bottom Layer w0.3: IC101.20 107.709,45.86 111.379,49.53 111.379,55.436 N4.11
NetIC101_21: IC101.21 N4.3 | length 49
  Bottom Layer w0.3: IC101.21 108.687,45.06 115.316,51.689 115.316,57.73 122.991,65.405 N4.3
NetIC101_22: IC101.22 N4.2 | length 47.2
  Bottom Layer w0.3: IC101.22 109.779,44.26 119.38,53.861 119.38,59.436 120.849,60.905 N4.2
NetIC101_28: IC101.28 J101.6 | length 38.7
  Bottom Layer w0.3: J101.6 46.839,39.409 47.513,38.735 79.121,38.735 79.629,39.243 IC101.28
NetIC101_29: IC101.29 J101.7 | length 37.6
  Bottom Layer w0.3: J101.7 47.839,40.553 48.387,40.005 78.302,40.005 78.829,40.532 IC101.29
NetIC101_31: IC101.31 IC101.32 J101.5 | length 40
  Bottom Layer w0.4: J101.5 45.839,46.601 46.863,47.625 49.022,47.625 50.038,46.609 50.038,43.434 50.927,42.545 73.914,42.545 75.184,43.815 76.703,43.815 77.229,43.289 IC101.31 IC101.32
NetIC101_33: IC101.33 J101.8 | length 27.8
  Bottom Layer w0.3: J101.8 48.839,41.965 49.529,41.275 75.502,41.275 75.629,41.402 IC101.33
NetIC101_36: IC101.36 N1.10 | length 46.7
  Bottom Layer w0.3: N1.10 35.56,60.305 35.56,56.083 42.875,48.768 50.546,48.768 53.454,45.86 IC101.36@72.963,45.86
NetIC101_37: IC101.37 N1.11 | length 41.1
  Bottom Layer w0.3: N1.11 37.91,55.054 43.307,49.657 51.308,49.657 54.305,46.66 IC101.37
NetIC101_38: IC101.38 N1.2 | length 35.9
  Bottom Layer w0.3: N1.2 48.641,59.924 48.641,51.683 49.664,50.66 51.829,50.66 55.029,47.46 IC101.38
NetIC101_39: IC101.39 N2.8 | length 45.7
  Bottom Layer w0.3: N2.8 53.395,69.905 52.578,69.088 52.578,51.473 55.791,48.26 IC101.39
NetIC101_40: IC101.40 N2.9 | length 38.1
  Bottom Layer w0.3: N2.9 54.61,65.405 53.975,64.77 53.975,51.638 56.553,49.06 IC101.40
NetIC101_41: IC101.41 N2.10 | length 29.3
  Bottom Layer w0.3: N2.10 56.841,60.905 56.134,60.198 56.134,50.927 57.201,49.86 IC101.41
NetIC101_42: IC101.42 N2.11 | length 19.2
  Bottom Layer w0.3: N2.11 60.135,51.625 61.1,50.66 IC101.42
NetIC101_43: IC101.43 N2.2 | length 11.9
  Bottom Layer w0.3: N2.2 70.612,60.178 70.612,52.26 71.412,51.46 IC101.43
NetIC101_44: IC101.44 N2.3 | length 14.5
  Bottom Layer w0.3: N2.3 71.954,63.336 71.954,53.51 IC101.44
NetJ1B_5: J1B.5 J1B.6 L2.2 | length 62.4
  Top Layer w0.5: v2@74.422,95.731 77.272,95.731 L2.2
  Bottom Layer w0.4: J1B.5 J1B.6@32.913,108.485
  Bottom Layer w1.5: J1B.6@32.788,102.21 33.95,102.21 39.234,96.926 73.303,96.926 v2(74.422,95.807)
  Bottom Layer w2: J1B.6@32.788,102.21 30.888,102.21 30.238,101.56 30.238,104.21 30.238,106.61 30.238,109.26 30.888,108.61 J1B.6@32.788,108.61
NetJ2_4: J2.4 MCU1.9 R21.1 | length 23.1
  Top Layer w0.3: J2.4@44.839,99.898 44.839,104.824 47.132,107.117 R21.1 48.812,107.74 49.149,108.077 49.149,115.782 48.461,116.47 MCU1.9
NetMCU1_4: MCU1.4 pad.2@37.338,101.403 R11.1 | length 28.8
  Top Layer w0.3: pad.2@37.338,101.403 38.439,101.403 38.859,101.822 38.859,104.313 39.886,105.34 v1(39.886,105.783) ; R11.1 41.529,123.947 v1(41.529,120.117) 41.926,119.72 MCU1.4
  Bottom Layer w0.3: v1(39.886,105.783) 39.886,118.474 v1(41.529,120.117)
NetMCU1_5: MCU1.5 pad.2@37.338,98.863 R10.2 | length 46.1
  Top Layer w0.3: pad.2@37.408,98.863 39.024,98.863 39.886,99.725 v1(39.886,104.03) ; v1(40.395,128.016) 40.395,126.197 ; R10.2 40.395,126.197 ; MCU1.5 41.005,119.07 40.395,119.68 40.395,126.197
  Bottom Layer w0.3: v1@39.784,104.03 39.592,104.03 39.116,104.506 39.116,126.737 v1(40.395,128.016)
NetMCU1_14: MCU1.14 R12.2 Reg3.3 | length 93.5
  Top Layer w0.3: v1(42.959,113.455) 43.194,113.22 MCU1.14 ; v1(52.578,123.436) v1(52.578,129.032) ; R12.2@111.394,127 112.74,127 ; v1(112.74,126.059) 112.74,127 ; Reg3.3 113.215,128.075 112.74,127.6 112.74,127
  Bottom Layer w0.3: v1(42.959,113.455) 43.942,114.438 43.942,120.651 46.727,123.436 v1(52.578,123.436) ; v1(52.578,129.032) 79.65,129.032 80.329,128.353 97.66,128.353 99.354,130.048 110.216,130.048 112.74,127.524 v1(112.74,126.059)
NetMCU1_15: MCU1.15 RF1.2 | length 12.6
  Top Layer w0.3: MCU1.15 52.211,112.127 53.555,110.783 53.555,106.155 54.359,105.351 RF1.2
NetMCU1_16: MCU1.16 RF1.7 | length 18.3
  Top Layer w0.3: MCU1.16 53.28,113.87 54.476,112.674 64.872,112.674 65.786,111.76 RF1.7
NetMCU1_17: MCU1.17 S3.2 | length 35.4
  Top Layer w0.3: MCU1.17 53.555,114.52 54.791,113.284 65.947,113.284 67.437,114.774 67.437,132.507 67.922,132.992 S3.2@68.58,132.992
NetMCU1_18: MCU1.18 S2.2 | length 40.4
  Top Layer w0.3: MCU1.18 53.83,115.17 55.032,113.967 65.533,113.967 66.802,115.236 66.802,129.306 66.314,129.794 60.771,129.794 59.944,130.621 59.944,132.649 60.287,132.992 S2.2@61.059,132.992
NetMCU1_21: MCU1.21
NetN1_1: N1.1 R101.2 | length 20.9
  Bottom Layer w0.5: N1.1 44.961,58.354 44.961,67.688 43.942,68.707 43.942,74.803 45.615,76.476 R101.2
NetN2_1: N2.1 R102.2 | length 23.6
  Bottom Layer w0.5: R102.2 57.15,73.737 61.506,69.381 61.506,64.034 N2.1
NetN3_1: N3.1 R103.2 | length 21.1
  Bottom Layer w0.5: N3.1 98.171,58.357 98.171,68.072 97.155,69.088 97.155,75.184 98.447,76.476 R103.2
NetN4_1: N4.1 R104.2 | length 27.7
  Bottom Layer w0.5: N4.1 125.603,57.405 126.644,58.446 126.644,74.143 124.311,76.476 R104.2
NetN5_A: N5.A R105.2 | length 4.1
  Bottom Layer w0.4: N5.A R105.2
NetN6_A: N6.A R106.2 | length 15.1
  Bottom Layer w0.4: N6.A 82.423,65.365 R106.2
NetQ1_2: Q1.1 Reg3.4 | length 19
  Top Layer w0.5: Q1.1@108.931,112.538 108.931,113.914 110.138,115.121 113.357,115.121 114.4,116.164 Reg3.4
NetQ1_3: Q1.3 R1.1 | length 4.7
  Top Layer w2: R1.1 108.075,109.66 108.88,108.855 Q1.3
NetR2_2: R2.2 R6.1
NetR3_2: R3.2 R4.2 R4.3 | length 22.5
  Top Layer w0.5: R4.3 102.33,126.34 R4.2 102.33,130.81 104.362,132.842 R3.2
NetR7_1: R7.1 Reg3.1 | length 3.5
  Top Layer w0.3: R7.1 111.869,130.503 112.997,129.375 Reg3.1
NetRF1_4: RF1.4 W3.2 | length 2.2
  Top Layer w0.3: RF1.4 61.506,104.551 W3.2
pads on no net: IC1.2 IC1.4 IC1.6 IC3.2 IC3.3 IC3.6 IC3.7 IC3.8 IC3.9 IC3.14 IC3.15 IC3.17 IC5.2 IC101.23 IC101.24 IC101.25 IC101.26 IC101.27 IC101.34 IC101.35 J1B.4 J2.2 J101.2 N1.3 N1.4 N1.5 N1.6 N1.7 N1.8 N1.9 N1.12 N1.48 N2.12 N2.48 N3.3 N3.4 N3.5 N3.6 N3.12 N3.48 N4.12 N4.48 N5.3 N6.3 RF1.3 RF1.5 S2.12 S2.13 S3.12 S3.13 S4.12 S4.13

## Polygon pours and split planes (outlines as drawn)
no net on Top Layer "Top Layer-No Net" (solid, pour order 7): 111.989,113.132
GND_FP on Top Layer "Top Layer-GND" (solid, pour order 5): 27.925,86.185 28,86.11 28,34 131,34 131,86.185
GND on Bottom Layer "Bottom Layer-GND" (solid, pour order 4): 28.412,133.604 28.412,92.964 130.52,92.964 130.52,133.604

## Silkscreen, mask and mechanical layers (free items; w line width, h text height)
Top Overlay:
  drawing of 53 lines, arcs and shapes, not listed
  text "Status" at 34.416,132.334 h2
  text "WiFi" at 41.263,132.334 h2
  text "HV-ADJ" at 106.553,132.052 h2.8
  text "For ESP8266" at 67.056,123.912 h3 r270
  text "+3.3V (Backup)" at 69.913,123.063 h1.52
  text "Why u du dis?" at 87.881,121.92 h1.5
  text "This battery is easily scared" at 84.328,120.396 h1.5
  text "+3.3V" at 69.85,119.72 h1.52
  text "please put it back" at 86.923,118.868 h1.5
  text "+180V" at 125.753,113.285 h1.75
  text "HV MUST BE" at 84.094,110.109 h3
  text "MCLR" at 31.242,108.458 h2
  text "COVERED" at 86.33,107.315 h3
  text "Vdd" at 32.465,106.418 h2
  text "Gnd" at 32.346,104.378 h2
  text "Prog." at 30.703,102.616 h2.5 r90
  text "PGD" at 32.284,102.338 h2
  text "GND" at 71.174,100.846 h1.75
  text "PGC" at 32.175,100.298 h2
  text "+12V" at 71.174,98.576 h1.75
  text "+5V" at 71.174,96.391 h1.75
  text "+180V" at 103.209,95.377 h1.75
  text "To FP" at 42.799,93.599 h3
  text "manunfacturer order-number" at 109.474,90.297 h1.52
  text "Nixie clock V1.1.5 from TMax-Electronics.de" at 29.21,89.408 h3
  text "Break off here" at 85.299,88.519 h3
  text "For use with IN-12 and Ins-1 tubes" at 29.21,87.249 h3
  text "AM" at 76.327,75.438 h5.08
  text "PM" at 76.327,51.181 h5.08
Bottom Overlay:
  drawing of 34 lines, arcs and shapes, not listed
  text "AP-Name:" at 91.123,89.916 h3
  text "For more information visit" at 129.294,89.916 h3
  text "AP-Password:" at 91.123,87.122 h3
  text "TMax-Electronics.de/nixie" at 129.286,87.122 h3
  text "©Mar 2019" at 128.524,52.832 h3
  text "Caution 180V" at 63.597,51.69 h4
  text "-Elecronics.de" at 99.72,37.846 h3
  text "Nixie clock V1.1.5" at 129.819,37.858 h3
Mechanical 7:
  lines w0.254: 28,34 131,34 131,134 28,134 28,34
Mechanical 8:
  lines w0.254: 28,86.185 131,86.185 ; 28,92.329 131,92.329
Mechanical 15:
  lines w0.254: 28,92.509 28,134 131,134 131,92.509 ; 28,93.409 28,86 ; 131,93.409 131,86 ; 28,86 28,86 ; 28,86 28,34 131,34 131,86 ; 131,86 131,86

## Text inside footprints (layer, text, board x,y; h text height)
Bat1: Top Overlay "+" at 88.646,133.604 h1.52 r90